# Allegro board LAY-95869_A.brd (continued)
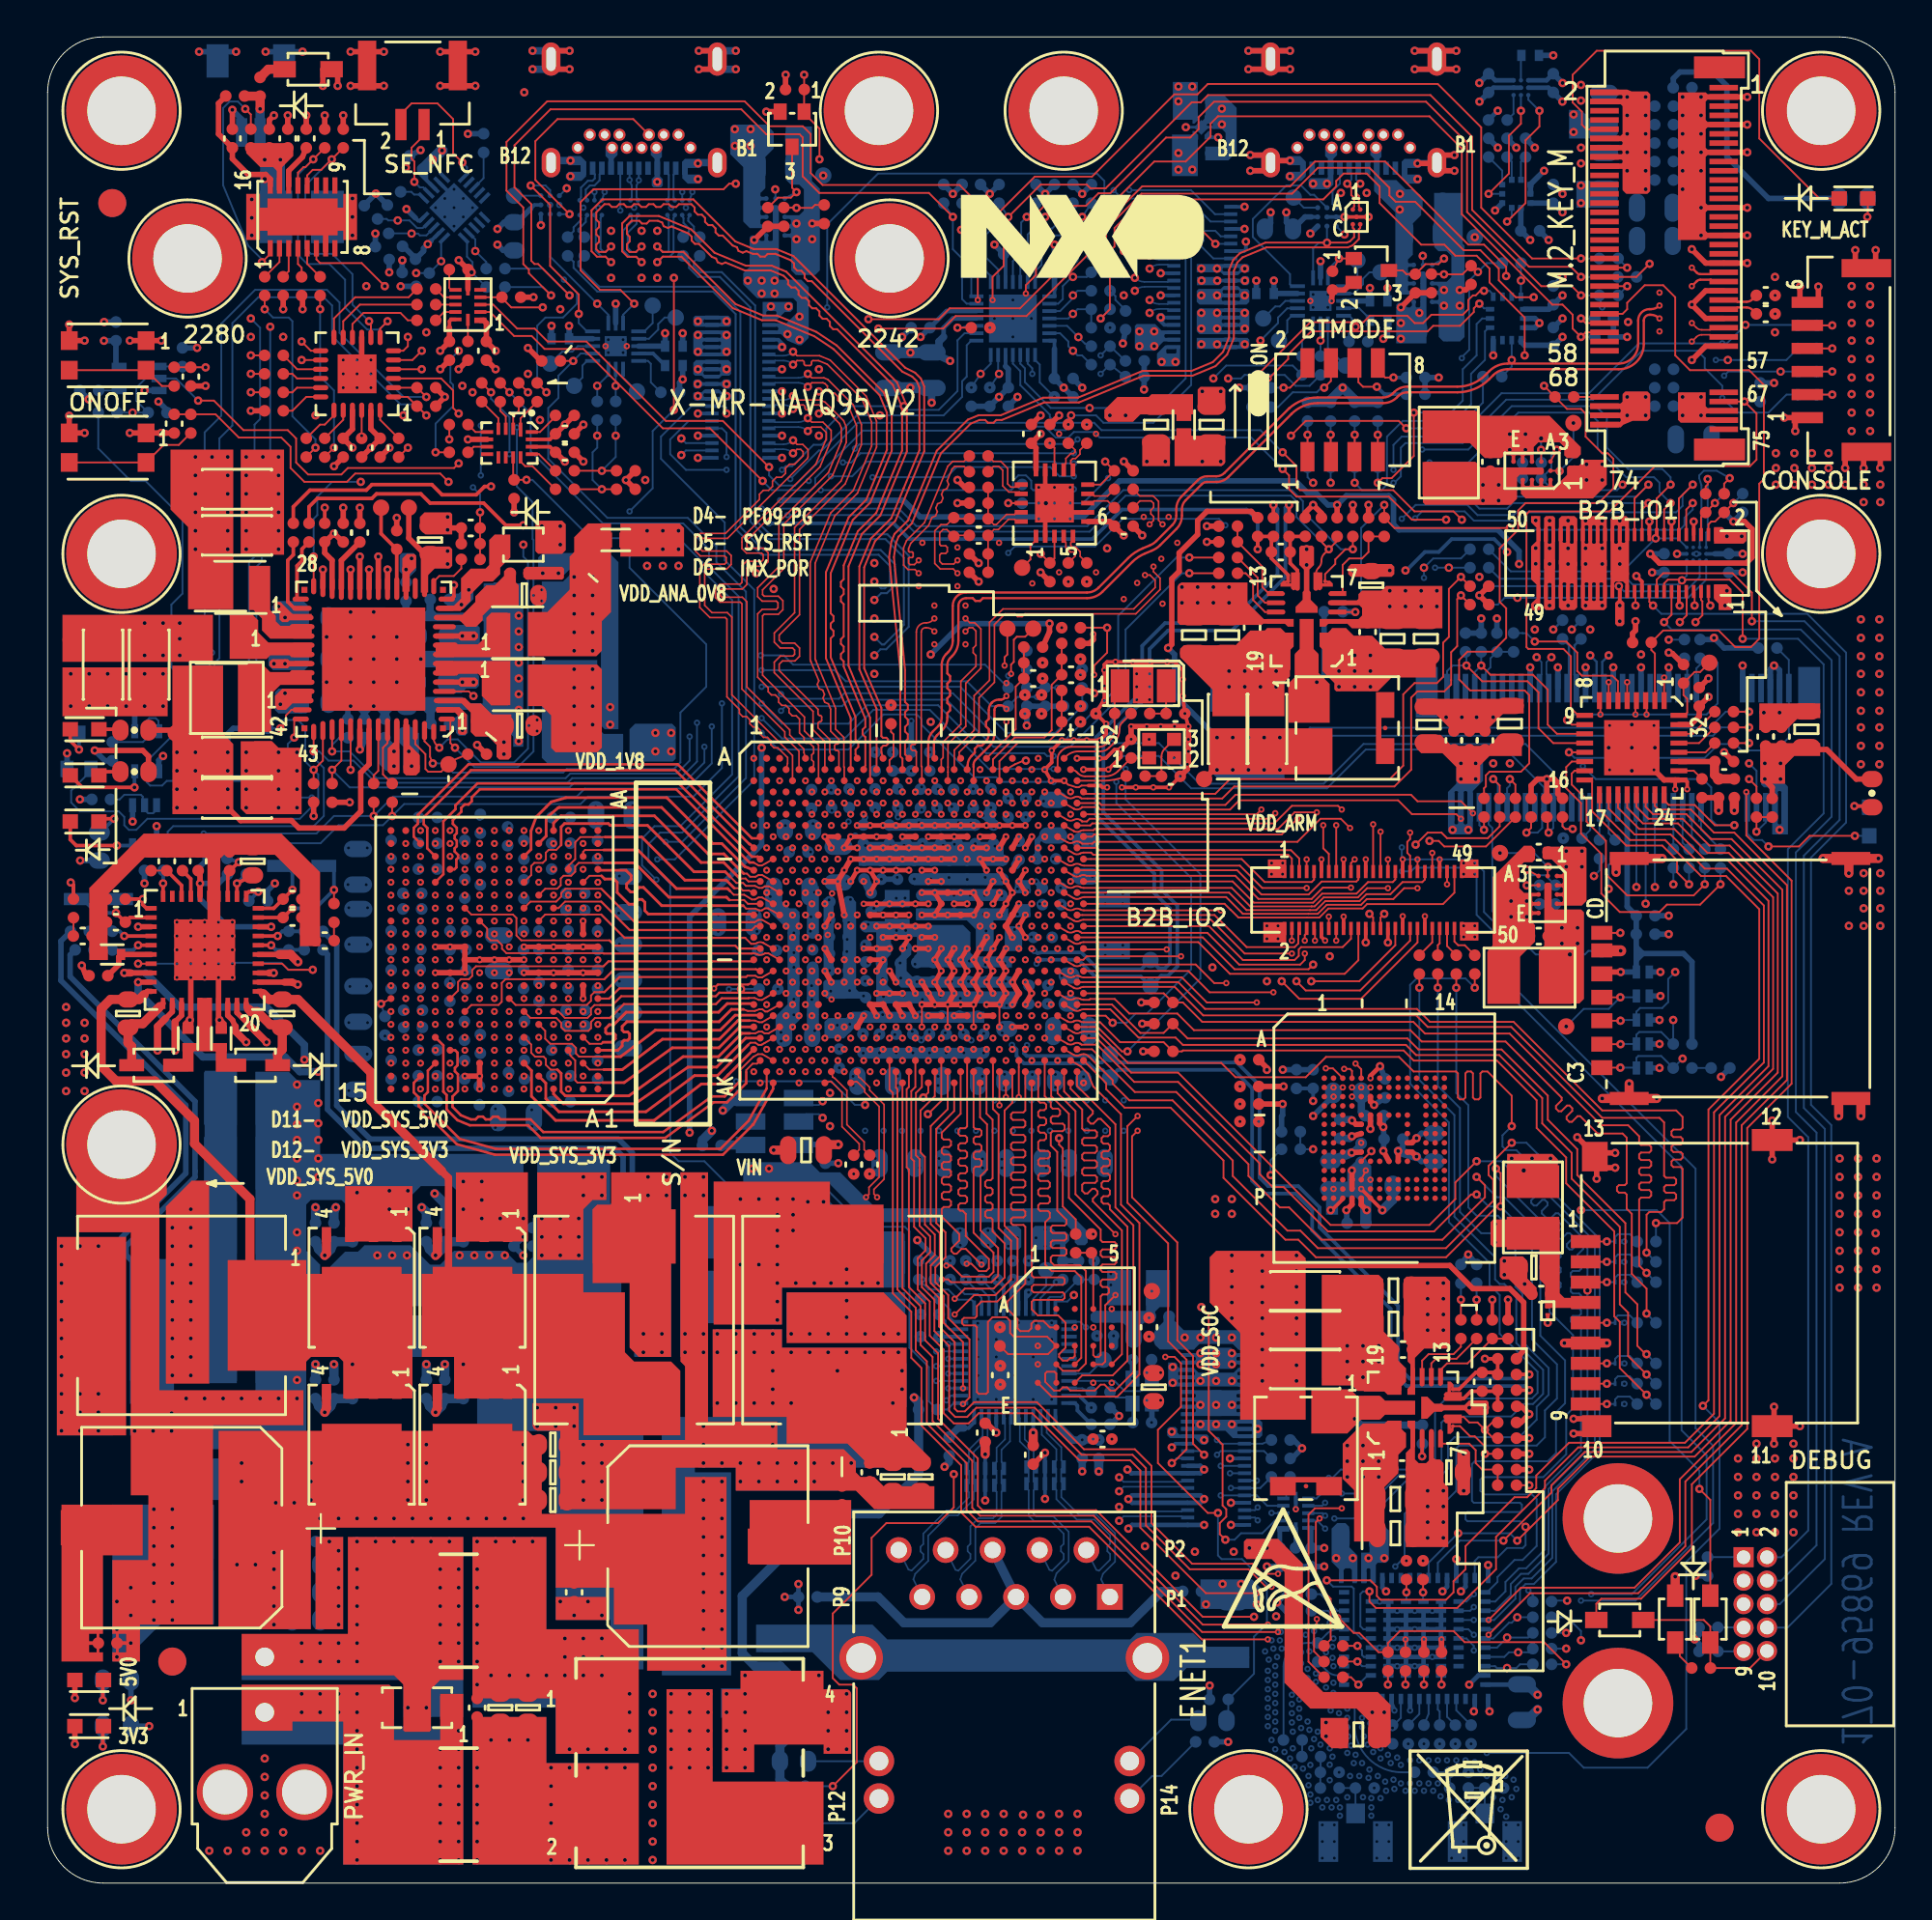
[diagram p0: board, top side]
## Footprints (pads in the part's own frame, mm; a bottom-side part is the same pattern mirrored in y, then rotated) (continued)
PQFN16_0P4_2P65X1P85
  rect 0.203x0.762 smd: 1(-0.6,-0.724)
  rect 0.203x0.66 smd: 2(-0.2,-0.775) 3(0.2,-0.775) 4(0.6,-0.775) 9(0.6,0.775) 10(0.2,0.775) 11(-0.2,0.775) 12(-0.6,0.775)
  rect 0.66x0.203 smd: 5(1.21,-0.6) 6(1.21,-0.2) 7(1.21,0.2) 8(1.21,0.6) 13(-1.21,0.6) 14(-1.21,0.2) 15(-1.21,-0.2) 16(-1.21,-0.6)
PQFN24_0P5_3P5X4P5MM
  custom 1.45x2.275 smd: 1(-1.425,1.512) 19(1.425,1.512)
  custom 1.45x0.422 smd: 4(-1.425,0.086) 16(1.425,0.086)
  custom 1x0.27 smd: 5(-1.65,-0.5) 6(-1.65,-1) 14(1.65,-1) 15(1.65,-0.5)
  custom 0.975x0.27 smd: 7(-1.663,-1.5) 13(1.663,-1.5)
  custom 0.838x0.975 smd: 8(-1,-2.163) 12(1,-2.163)
  custom 0.27x1 smd: 9(-0.5,-2.15) 11(0.5,-2.15)
  custom 1.2x2.2 smd: 10(0,-1.55)
  custom 1.25x2.775 smd: 21(0,1.262)
PQFN56_0P5_8X8MM
  rect 0.33x0.33 smd: (-3.75,3.75) (-3.75,-3.75) (3.75,3.75) (3.75,-3.75)
  oval 0.889x0.279 smd: 1(-3.95,3.25) 14(-3.95,-3.25) 29(3.95,-3.25) 42(3.95,3.25)
  oval 1.041x0.279 smd: 2(-3.875,2.75) 13(-3.875,-2.75) 30(3.875,-2.75) 41(3.875,2.75)
  oval 1.143x0.279 smd: 3(-3.825,2.25) 12(-3.825,-2.25) 31(3.825,-2.25) 40(3.825,2.25)
  oval 1.245x0.279 smd: 4(-3.825,1.75) 5(-3.825,1.25) 6(-3.825,0.75) 7(-3.825,0.25) 8(-3.825,-0.25) 9(-3.825,-0.75) 10(-3.825,-1.25) 11(-3.825,-1.75) 32(3.825,-1.75) 33(3.825,-1.25) 34(3.825,-0.75) 35(3.825,-0.25) 36(3.825,0.25) 37(3.825,0.75) 38(3.825,1.25) 39(3.825,1.75)
  oval 0.279x0.889 smd: 15(-3.25,-3.95) 28(3.25,-3.95) 43(3.25,3.95) 56(-3.25,3.95)
  oval 0.279x1.041 smd: 16(-2.75,-3.875) 27(2.75,-3.875) 44(2.75,3.875) 55(-2.75,3.875)
  oval 0.279x1.143 smd: 17(-2.25,-3.825) 26(2.25,-3.825) 45(2.25,3.825) 54(-2.25,3.825)
  oval 0.279x1.245 smd: 18(-1.75,-3.825) 19(-1.25,-3.825) 20(-0.75,-3.825) 21(-0.25,-3.825) 22(0.25,-3.825) 23(0.75,-3.825) 24(1.25,-3.825) 25(1.75,-3.825) 46(1.75,3.825) 47(1.25,3.825) 48(0.75,3.825) 49(0.25,3.825) 50(-0.25,3.825) 51(-0.75,3.825) 52(-1.25,3.825) 53(-1.75,3.825)
  rect 5.588x5.588 smd: 57(0,0)
QFN20_0P4_3X3_TAB_1P9
  rect 0.737x0.203 smd: 1(-1.538,0.8) 2(-1.538,0.4) 3(-1.538,0) 4(-1.538,-0.4) 5(-1.538,-0.8) 11(1.538,-0.8) 12(1.538,-0.4) 13(1.538,0) 14(1.538,0.4) 15(1.538,0.8)
  rect 0.203x0.737 smd: 6(-0.8,-1.538) 7(-0.4,-1.538) 8(0,-1.538) 9(0.4,-1.538) 10(0.8,-1.538) 16(0.8,1.538) 17(0.4,1.538) 18(0,1.538) 19(-0.4,1.538) 20(-0.8,1.538)
  rect 1.905x1.905 smd: 21(0,0)
QFN24_4X4_EP2P1MM
  oval 0.279x0.838 smd: 1(-1.25,-1.975) 2(-0.75,-1.975) 3(-0.25,-1.975) 4(0.25,-1.975) 5(0.75,-1.975) 6(1.25,-1.975) 13(1.25,1.975) 14(0.75,1.975) 15(0.25,1.975) 16(-0.25,1.975) 17(-0.75,1.975) 18(-1.25,1.975)
  oval 0.838x0.279 smd: 7(1.975,-1.25) 8(1.975,-0.75) 9(1.975,-0.25) 10(1.975,0.25) 11(1.975,0.75) 12(1.975,1.25) 19(-1.975,1.25) 20(-1.975,0.75) 21(-1.975,0.25) 22(-1.975,-0.25) 23(-1.975,-0.75) 24(-1.975,-1.25)
  rect 2.108x2.108 smd: 25(0,0)
QFN28_0P4_4X4_EP2P6
  rect 0.762x0.203 smd: 1(-1.975,1.2) 2(-1.975,0.8) 3(-1.975,0.4) 4(-1.975,0) 5(-1.975,-0.4) 6(-1.975,-0.8) 7(-1.975,-1.2) 15(1.975,-1.2) 16(1.975,-0.8) 17(1.975,-0.4) 18(1.975,0) 19(1.975,0.4) 20(1.975,0.8) 21(1.975,1.2)
  rect 0.203x0.762 smd: 8(-1.2,-1.975) 9(-0.8,-1.975) 10(-0.4,-1.975) 11(0,-1.975) 12(0.4,-1.975) 13(0.8,-1.975) 14(1.2,-1.975) 22(1.2,1.975) 23(0.8,1.975) 24(0.4,1.975) 25(0,1.975) 26(-0.4,1.975) 27(-0.8,1.975) 28(-1.2,1.975)
  rect 2.591x2.591 smd: 29(0,0)
QFN_48_0P4_6X6MM
  rect 0.838x0.203 smd: 1(-2.938,2.2) 2(-2.938,1.8) 3(-2.938,1.4) 4(-2.938,1) 5(-2.938,0.6) 6(-2.938,0.2) 7(-2.938,-0.2) 8(-2.938,-0.6) 9(-2.938,-1) 10(-2.938,-1.4) 11(-2.938,-1.8) 12(-2.938,-2.2) 25(2.938,-2.2) 26(2.938,-1.8) 27(2.938,-1.4) 28(2.938,-1) 29(2.938,-0.6) 30(2.938,-0.2) 31(2.938,0.2) 32(2.938,0.6) 33(2.938,1) 34(2.938,1.4) 35(2.938,1.8) 36(2.938,2.2)
  rect 0.203x0.838 smd: 13(-2.2,-2.938) 14(-1.8,-2.938) 15(-1.4,-2.938) 16(-1,-2.938) 17(-0.6,-2.938) 18(-0.2,-2.938) 19(0.2,-2.938) 20(0.6,-2.938) 21(1,-2.938) 22(1.4,-2.938) 23(1.8,-2.938) 24(2.2,-2.938) 37(2.2,2.938) 38(1.8,2.938) 39(1.4,2.938) 40(1,2.938) 41(0.6,2.938) 42(0.2,2.938) 43(-0.2,2.938) 44(-0.6,2.938) 45(-1,2.938) 46(-1.4,2.938) 47(-1.8,2.938) 48(-2.2,2.938)
  rect 4.597x4.597 smd: 49(0,0)
RC0402_25
  round 0.635 smd: 1(-0.508,0) 2(0.508,0)
RC0603_OV
  oval 0.889x1.143 smd: 1(-0.762,0) 2(0.762,0)
RC1206_OV
  oval 1.016x1.778 smd: 1(-1.524,0) 2(1.524,0)
RC6432
  rect 1.651x6.604 smd: 1(-1.276,0) 2(1.276,0)
SC70-5
  rect 0.406x0.813 smd: 1(-0.65,-1.079) 2(0,-1.079) 3(0.65,-1.079) 4(0.65,1.079) 5(-0.65,1.079)
SC70_3
  rect 0.711x0.889 smd: 1(-0.648,-0.952) 2(0.648,-0.952) 3(0,0.952)
SO16_0P5_3P5X4P5_MM
  rect 0.889x0.279 smd: 1(-1.7,1.75) 2(-1.7,1.25) 3(-1.7,0.75) 4(-1.7,0.25) 5(-1.7,-0.25) 6(-1.7,-0.75) 7(-1.7,-1.25) 8(-1.7,-1.75) 9(1.7,-1.75) 10(1.7,-1.25) 11(1.7,-0.75) 12(1.7,-0.25) 13(1.7,0.25) 14(1.7,0.75) 15(1.7,1.25) 16(1.7,1.75)
  rect 2x3.8 smd: 17(0,0)
SOD323
  rect 0.889x1.219 smd: A(0,1.27) C(0,-1.27)
SOD323_1A
  rect 0.813x0.813 smd: A(-1.125,0) C(1.125,0)
SOD323_2P4_1P8X1P4
  rect 1.346x0.66 smd: A(-1.2,0) C(1.2,0)
SOD882
  rect 0.406x0.711 smd: 1(-0.35,0) 2(0.35,0)
SOT-363_0P65_SMT
  rect 0.762x0.381 smd: 1(-1.085,0.65) 2(-1.085,0) 3(-1.085,-0.65) 4(1.085,-0.65) 5(1.085,0) 6(1.085,0.65)
SW4_SPST_4P6X2P8_SM
  rect 0.914x1.016 smd: 1(-2.08,-0.8) 2(2.08,-0.8) 3(-2.08,0.8) 4(2.08,0.8)
SW_CHS_04_A
  rect 1.6x0.762 smd: 1(-2.54,1.905) 2(2.54,1.905) 3(-2.54,0.635) 4(2.54,0.635) 5(-2.54,-0.635) 6(2.54,-0.635) 7(-2.54,-1.905) 8(2.54,-1.905)
TDSON_1P27_5P35X6P1
  rect 0.813x0.508 smd: 1(-2.88,1.905) 2(-2.88,0.635) 3(-2.88,-0.635) 4(-2.88,-1.905)
  rect 4.42x4.318 smd: 5(1.081,0)
TESTPOINT_35MIL
  round 0.889 smd: 1(0,0)
unnamed#2
  round 1.524 smd: (0,0)
UQFN32_0P5_5X5_EP3X3
  rect 0.914x0.279 smd: 1(-2.55,1.75) 2(-2.55,1.25) 3(-2.55,0.75) 4(-2.55,0.25) 5(-2.55,-0.25) 6(-2.55,-0.75) 7(-2.55,-1.25) 8(-2.55,-1.75) 17(2.55,-1.75) 18(2.55,-1.25) 19(2.55,-0.75) 20(2.55,-0.25) 21(2.55,0.25) 22(2.55,0.75) 23(2.55,1.25) 24(2.55,1.75)
  rect 0.279x0.914 smd: 9(-1.75,-2.55) 10(-1.25,-2.55) 11(-0.75,-2.55) 12(-0.25,-2.55) 13(0.25,-2.55) 14(0.75,-2.55) 15(1.25,-2.55) 16(1.75,-2.55) 25(1.75,2.55) 26(1.25,2.55) 27(0.75,2.55) 28(0.25,2.55) 29(-0.25,2.55) 30(-0.75,2.55) 31(-1.25,2.55) 32(-1.75,2.55)
  rect 2.997x2.997 smd: 33(0,0)
VFQFPN20P_0P5_SQ4P1
  rect 0.711x0.254 smd: 1(-1.8,1) 2(-1.8,0.5) 3(-1.8,0) 4(-1.8,-0.5) 5(-1.8,-1) 11(1.8,-1) 12(1.8,-0.5) 13(1.8,0) 14(1.8,0.5) 15(1.8,1)
  rect 0.254x0.711 smd: 6(-1,-1.8) 7(-0.5,-1.8) 8(0,-1.8) 9(0.5,-1.8) 10(1,-1.8) 16(1,1.8) 17(0.5,1.8) 18(0,1.8) 19(-0.5,1.8) 20(-1,1.8)
  rect 2.108x2.108 smd: 21(0,0)
VQFN40P_0P5_SQ6P1_EP3P3
  rect 0.61x0.254 smd: 1(-2.9,2.25) 2(-2.9,1.75) 3(-2.9,1.25) 4(-2.9,0.75) 5(-2.9,0.25) 6(-2.9,-0.25) 7(-2.9,-0.75) 8(-2.9,-1.25) 9(-2.9,-1.75) 10(-2.9,-2.25) 21(2.9,-2.25) 22(2.9,-1.75) 23(2.9,-1.25) 24(2.9,-0.75) 25(2.9,-0.25) 26(2.9,0.25) 27(2.9,0.75) 28(2.9,1.25) 29(2.9,1.75) 30(2.9,2.25)
  rect 0.254x0.61 smd: 11(-2.25,-2.9) 12(-1.75,-2.9) 13(-1.25,-2.9) 14(-0.75,-2.9) 15(-0.25,-2.9) 16(0.25,-2.9) 17(0.75,-2.9) 18(1.25,-2.9) 19(1.75,-2.9) 20(2.25,-2.9) 31(2.25,2.9) 32(1.75,2.9) 33(1.25,2.9) 34(0.75,2.9) 35(0.25,2.9) 36(-0.25,2.9) 37(-0.75,2.9) 38(-1.25,2.9) 39(-1.75,2.9) 40(-2.25,2.9)
  rect 3.302x3.302 smd: 41(0,0)
WLCSP5_0P4_0P82X1P22
  round 0.254 smd: A1(-0.2,0.4) A2(0.2,0.4) B1(0,0) C1(-0.2,-0.4) C2(0.2,-0.4)
WLCSP9_0P4_1P28SQ
  round 0.24 smd: A1(-0.4,0.4) A2(0,0.4) A3(0.4,0.4) B1(-0.4,0) B2(0,0) B3(0.4,0) C1(-0.4,-0.4) C2(0,-0.4) C3(0.4,-0.4)
WLCSP9_0P5_1P49X1P49MM
  round 0.279 smd: A1(-0.5,0.5) A2(0,0.5) A3(0.5,0.5) B1(-0.5,0) B2(0,0) B3(0.5,0) C1(-0.5,-0.5) C2(0,-0.5) C3(0.5,-0.5)
WLCSP10_0P4_1P2X1P6MM_SMDP
  round 0.254 smd: A1(0.4,0.6) A2(0.4,0.2) A3(0.4,-0.2) A4(0.4,-0.6) B1(0,0.4) B2(0,-0.4) C1(-0.4,0.6) C2(-0.4,0.2) C3(-0.4,-0.2) C4(-0.4,-0.6)
WLCSP12_0P35_1P05X1P40
  round 0.2 smd: A1(-0.35,0.525) A2(0,0.525) A3(0.35,0.525) B1(-0.35,0.175) B2(0,0.175) B3(0.35,0.175) C1(-0.35,-0.175) C2(0,-0.175) C3(0.35,-0.175) D1(-0.35,-0.525) D2(0,-0.525) D3(0.35,-0.525)
WLCSP15_0P5_1P57X2P59
  round 0.254 smd: A1(0.5,1) A2(0,1) A3(-0.5,1) B1(0.5,0.5) B2(0,0.5) B3(-0.5,0.5) C1(0.5,0) C2(0,0) C3(-0.5,0) D1(0.5,-0.5) D2(0,-0.5) D3(-0.5,-0.5) E1(0.5,-1) E2(0,-1) E3(-0.5,-1)
XQFN12_0P4_1P8X2P1
  rect 0.66x0.305 smd: 1(-0.675,0.85)
  rect 0.66x0.203 smd: 2(-0.675,0.4) 3(-0.675,0) 4(-0.675,-0.4) 5(-0.675,-0.8) 7(0.675,-0.8) 8(0.675,-0.4) 9(0.675,0) 10(0.675,0.4) 11(0.675,0.8)
  rect 0.203x0.66 smd: 6(0,-0.825) 12(0,0.825)
XSON4_0P65_SQ1P05MM_A
  custom 0.46x0.31 smd: 1(-0.429,0.325) 2(-0.429,-0.325) 3(0.429,-0.325) 4(0.429,0.325)
  rect 0.58x0.58 smd rot 135: 5(0,0)
XSON10_0P5_1P1X2P6MM
  rect 0.711x0.254 smd: 1(-0.457,1) 2(-0.457,0.5) 3(-0.457,0) 4(-0.457,-0.5) 5(-0.457,-1) 6(0.457,-1) 7(0.457,-0.5) 8(0.457,0) 9(0.457,0.5) 10(0.457,1)
XTAL4_2P1X1P7MM_SM
  rect 0.864x0.762 smd: 1(-0.675,-0.525) 2(0.675,-0.525) 3(0.675,0.525) 4(-0.675,0.525)
XTL2_3P2X1P5
  rect 1.016x1.803 smd: 1(-1.25,0) 2(1.25,0)
XTL4_2P1X1P7MM_SM
  rect 0.762x0.711 smd: 1(-0.675,-0.5) 2(0.675,-0.5) 3(0.675,0.5) 4(-0.675,0.5)

## Nets
AVDD10_RTL: C409.1 C416.1 C417.1 R324.2 U35.4 U35.9 U35.47
AVDD33_RTL: C415.1 C418.1 R338.2 U35.1 U35.12
DVDD10_RTL: C402.1 R325.2 U35.22
DVDD33_RTL: C387.1 C391.1 C392.1 R309.2 R315.1 R318.1 R319.1 R336.1 R359.1 R367.1 U35.30 U35.31
GND: BH1.1 BH2.1 BH3.1 BH4.1 BH5.1 BH6.1 BH7.1 BH8.1 BH9.1 BH10.1 BH11.1 BH12.1 BH13.1 BH14.1 C1.2 C2.2 C3.2 C6.2 C7.2 C8.2 C9.2 C10.2 C11.2 C12.2 C13.2 C14.2 C15.2 C16.2 C17.2 C18.2 C19.2 C20.2 C22.2 C23.2 C24.2 C25.2 C26.2 C28.2 C30.2 C31.2 C32.2 C33.2 C34.2 C35.2 C36.2 C37.2 C38.2 C39.2 C40.2 C41.2 C42.2 C43.2 C44.2 C45.2 C46.2 C47.2 C48.2 C49.2 C50.2 C51.2 C52.2 C53.2 C54.2 C55.2 C56.2 C57.2 C58.2 C59.2 C60.2 C61.2 C62.2 C63.2 C64.2 C65.2 C66.2 C67.2 C68.2 C69.2 C70.2 C71.2 C72.2 C73.2 C74.2 C77.2 C78.2 C81.2 C82.2 C83.2 C84.2 C85.2 C86.2 C87.2 C88.2 C89.2 C90.2 C91.2 C93.2 C94.2 C95.2 C96.2 C97.2 C98.2 C99.2 C100.2 C101.2 C102.2 C103.2 C105.2 C107.2 C108.2 C109.2 C110.2 C111.2 C112.2 C117.2 C118.2 C119.2 C120.2 C121.2 C122.2 C123.2 C124.2 C125.2 C126.2 C127.2 C128.2 C129.2 C130.2 C131.2 C132.2 C133.2 C134.2 C135.2 C136.2 C137.2 C138.2 C139.2 C140.2 C141.2 C142.2 C147.2 C148.2 C149.2 C150.2 C151.2 C152.2 C153.2 C154.2 C155.2 C156.2 C157.2 C158.2 C159.2 C160.2 C161.2 C162.2 C163.2 C164.2 C165.2 C166.2 C167.2 C168.2 C169.2 C170.2 C171.2 C172.2 C173.2 C175.2 C178.2 C179.2 C180.2 C181.2 C182.2 C183.2 C184.2 C185.2 C186.2 C187.2 C188.2 C189.2 C190.2 C191.2 C192.2 C193.2 C194.2 C195.2 C196.2 C197.2 C198.2 C199.2 C200.2 C201.2 C202.2 C203.2 C204.2 C205.2 C206.2 C207.2 C208.2 C209.2 C210.2 C211.2 C212.2 C213.2 C214.2 C215.2 C216.2 C217.2 C218.2 C219.2 C220.2 C221.2 C222.2 C223.2 C224.2 C225.2 C226.2 C227.2 C228.2 C229.2 C230.2 C231.2 C232.2 C233.2 C234.2 C235.2 C236.2 C237.2 C238.2 C239.2 C240.2 C241.2 C242.2 C243.2 C244.2 C245.2 C246.2 C247.2 C248.2 C249.2 C250.2 C251.2 C252.2 C253.2 C254.2 C255.2 C256.2 C257.2 C258.2 C259.2 C260.2 C261.2 C262.2 C263.2 C264.2 C265.2 C266.2 C267.2 C268.2 C269.2 C270.2 C271.2 C272.2 C273.2 C274.2 C275.2 C276.2 C277.2 C278.2 C281.2 C282.2 C283.2 C284.2 C285.2 C286.2 C287.2 C288.2 C289.2 C290.2 C291.2 C292.2 C293.2 C294.2 C295.2 C296.2 C297.2 C298.2 C299.2 C300.2 C301.2 C302.2 C303.2 C304.2 C305.2 C306.2 C307.2 C308.2 C309.2 C310.2 C311.2 C312.2 C313.2 C314.2 C315.2 C316.2 C317.2 C318.2 C319.2 C320.2 C321.2 C322.2 C323.2 C324.2 C325.2 C326.2 C327.2 C328.2 C329.2 C330.2 C331.2 C332.2 C333.2 C334.2 C335.2 C336.2 C337.2 C338.2 C339.2 C340.2 C342.2 C343.2 C344.2 C345.2 C346.2 C347.2 C348.2 C349.2 C350.2 C351.2 C352.2 C353.2 C354.2 C355.2 C356.2 C357.2 C358.2 C359.2 C360.2 C361.2 C362.2 C363.2 C364.2 C365.2 C366.2 C367.2 C368.2 C369.2 C370.2 C371.2 C372.2 C373.2 C374.2 C375.2 C376.2 C377.2 C378.2 C379.2 C380.2 C381.2 C382.2 C383.2 C384.2 C385.2 C386.2 C387.2 C388.2 C389.2 C390.2 C391.2 C392.2 C393.2 C394.2 C395.2 C396.2 C397.2 C398.2 C399.2 C400.2 C401.2 C402.2 C403.2 C404.2 C405.2 C406.2 C407.2 C408.2 C409.2 C411.2 C412.2 C413.2 C414.2 C415.2 C416.2 C417.2 C418.2 C419.2 C420.2 C421.2 C422.2 C423.2 C424.2 C425.2 C426.2 C428.2 C429.2 C431.2 C432.2 D9.2(C2) D11.C(CATHODE) D12.C(CATHODE) D18.1 D19.1 D20.1 D21.1 D22.1 D23.2(C2) D24.2(C2) D25.2(C2) D26.2(C2) D27.2(C2) D28.2(C2) D29.2(C2) D30.3 D30.8 D31.3 D31.8 J1.3 J1.9 J1.15 J1.27 J1.33 J1.39 J1.45 J1.51 J1.57 J1.71 J1.73 J2.6 J2.SH1 J2.SH2 J3.1 J3.2 J3.8 J3.11 J3.14 J3.20 J3.21 J3.25 J3.26 J3.28 J3.29 J3.30 J3.39 J3.40 J3.41 J3.42 J3.43 J3.44 J3.49 J3.50 J4.1 J4.2 J4.11 J4.12 J4.17 J4.18 J4.23 J4.24 J4.30 J4.33 J4.34 J4.40 J4.43 J4.49 J4.50 J5.C5 J5.G1 J5.G2 J5.G3 J5.G4 J6.6(VSS) J6.10 J6.11 J6.12 J6.13 J7.3 J7.5 J9.S1 J9.S2 J10.S1 J10.S2 J11.1 J11.S1 J11.S2 J12.A1 J12.A12 J12.B1 J12.B12 J12.SH1 J12.SH2 J12.SH3 J12.SH4 J13.A1 J13.A12 J13.B1 J13.B12 J13.SH1 J13.SH2 J13.SH3 J13.SH4 J14.1 J14.2 J14.7 J14.8 J14.13 J14.14 J14.18 J14.19 J14.20 J14.24 J14.25 J14.26 J14.28 J14.31 J14.33 J14.38 J14.39 J14.40 J15.1 J15.2 J15.7 J15.8 J15.13 J15.14 J15.18 J15.19 J15.20 J15.24 J15.25 J15.26 J15.28 J15.31 J15.33 J15.38 J15.39 J15.40 J16.3 J16.5 J16.11 J16.27 J16.33 J16.39 J16.45 J16.51 J16.57 J16.71 J16.73 J17.1 J17.2 J17.7 J17.8 J17.10 J17.16 J17.18 J17.19 J17.24 J17.25 J17.27 J17.28 J17.29 J17.30 J17.39 J17.40 J17.41 J17.42 J17.43 J17.44 J17.49 J17.50 J18.2 J18.3(GND2) J19.2 J19.3(GND2) Q1.2(SOURCE) Q2.2(SOURCE) Q3.1 Q3.2 Q3.3(SOURCE3) Q4.1 Q4.2 Q4.3(SOURCE3) Q7.2(SOURCE) Q8.1 Q8.4(S2) Q9.1 Q9.4(S2) R2.2 R8.2 R11.2 R12.2 R13.2 R17.2 R18.2 R24.1 R25.2 R36.2 R56.2 R58.2 R59.2 R64.2 R67.2 R72.1 R74.2 R75.2 R84.2 R88.2 R89.2 R92.2 R93.2 R94.2 R97.2 R124.2 R125.2 R126.2 R146.2 R150.2 R151.2 R154.2 R155.2 R160.1 R161.1 R163.2 R171.2 R173.2 R175.2 R200.2 R216.2 R223.2 R224.2 R225.2 R226.2 R231.2 R246.2 R252.2 R255.2 R257.2 R261.1 R262.2 R263.2 R276.2 R285.2 R286.2 R291.2 R294.2 R295.2 R301.2 R305.2 R312.2 R313.2 R314.2 R316.2 R317.2 R322.2 R323.2 R337.2 R344.2 R348.2 R351.1 R361.2 R362.2 R364.2 R365.2 R368.2 SW1.1 SW1.2 SW3.1 SW3.2 T1.4 U1.7(VSS) U1.17 U2.B1(GND) U3.6 U4.9(VSS) U4.25 U5.6 U6.C3 U6.D3 U6.E3 U7.2 U7.7 U7.14 U7.21 U8.1 U8.10 U8.19 U9.24 U9.27 U9.57 U10.25(VSS) U10.33 U11.C3 U11.D3 U11.E3 U12.A1 U12.A51 U12.AA3 U12.AA9 U12.AA15 U12.AA19 U12.AA23 U12.AA27 U12.AA31 U12.AA35 U12.AA39 U12.AA43 U12.AA47 U12.AB6 U12.AB20 U12.AB22 U12.AB24 U12.AB28 U12.AB32 U12.AB36 U12.AB40 U12.AB44 U12.AB46 U12.AB50 U12.AC3 U12.AC9 U12.AC27 U12.AC29 U12.AC31 U12.AC33 U12.AC35 U12.AC37 U12.AC39 U12.AC43 U12.AC47 U12.AD6 U12.AD14 U12.AD16 U12.AD50 U12.AE3 U12.AE9 U12.AE15 U12.AE19 U12.AE21 U12.AE23 U12.AE25 U12.AE27 U12.AE29 U12.AE31 U12.AE33 U12.AE35 U12.AE37 U12.AE39 U12.AE41 U12.AE43 U12.AE47 U12.AF6 U12.AF12 U12.AF16 U12.AF18 U12.AF22 U12.AF26 U12.AF30 U12.AF34 U12.AF38 U12.AF42 U12.AF46 U12.AF50 U12.AG3 U12.AG5 U12.AG9 U12.AG13 U12.AG19 U12.AH6 U12.AH12 U12.AH14 U12.AH16 U12.AH18 U12.AH24 U12.AH28 U12.AH32 U12.AH36 U12.AH40 U12.AH44 U12.AH48 U12.AJ1 U12.AJ5 U12.AJ9 U12.AJ11 U12.AJ15 U12.AJ19 U12.AK2 U12.AK8 U12.AK52 U12.B36 U12.B46 U12.B52 U12.C5 U12.C9 U12.C13 U12.C17 U12.C21 U12.C25 U12.C29 U12.C33 U12.C37 U12.C41 U12.C45 U12.C47 U12.C49 U12.D10 U12.D12 U12.D16 U12.D20 U12.D24 U12.D28 U12.D32 U12.D34 U12.D36 U12.D40 U12.D46 U12.D50 U12.E5 U12.E35 U12.E41 U12.E47 U12.F10 U12.F14 U12.F18 U12.F22 U12.F26 U12.F30 U12.F34 U12.F38 U12.F42 U12.F44 U12.F50 U12.G1 U12.G3 U12.G5 U12.G13 U12.G15 U12.G17 U12.G19 U12.G21 U12.G23 U12.G25 U12.G27 U12.G29 U12.G31 U12.G33 U12.G35 U12.G37 U12.G39 U12.G41 U12.G43 U12.G47 U12.H4 U12.H6 U12.H8 U12.H10 U12.H44 U12.H50 U12.J3 U12.J5 U12.J9 U12.J11 U12.J43 U12.J47 U12.K6 U12.K16(VSS_99) U12.K18 U12.K20 U12.K22 U12.K24 U12.K26 U12.K28 U12.K30 U12.K32 U12.K36 U12.K38 U12.K40 U12.K50 U12.L3 U12.L5 U12.L9 U12.L15 U12.L37 U12.L43 U12.L47 U12.M6 U12.M12 U12.M14 U12.M18 U12.M28 U12.M30 U12.M42 U12.M50 U12.N3 U12.N9 U12.N39 U12.N43 U12.N47 U12.P6 U12.P20 U12.P22 U12.P24 U12.P26 U12.P28 U12.P32 U12.P34 U12.P38 U12.P50 U12.R3 U12.R9 U12.R15 U12.R43 U12.R47 U12.T6 U12.T14 U12.T20 U12.T22 U12.T24 U12.T26 U12.T28 U12.T36 U12.T38 U12.T42 U12.T50 U12.U3 U12.U9 U12.U37 U12.U43 U12.U47 U12.V6 U12.V20 U12.V22 U12.V26 U12.V28 U12.V32 U12.V36 U12.V40 U12.V50 U12.W3 U12.W9 U12.W15 U12.W31 U12.W35 U12.W39 U12.W43 U12.W47 U12.Y6 U12.Y14 U12.Y22 U12.Y32 U12.Y36 U12.Y40 U12.Y50 U13.3 U13.14 U13.17 U13.34 U13.35 U13.41 U14.A5 U14.A11 U14.AA5 U14.AA11 U14.B4 U14.B8 U14.B12 U14.C5 U14.C8 U14.C11 U14.D2 U14.D6 U14.D7 U14.D9 U14.D10 U14.D14 U14.E1 U14.E3 U14.E8 U14.E13 U14.E15 U14.F2 U14.F8 U14.F14 U14.G3 U14.G5 U14.G7 U14.G9 U14.G11 U14.G13 U14.H3 U14.H4 U14.H6 U14.H8 U14.H10 U14.H12 U14.J1 U14.J3 U14.J7 U14.J8 U14.J10 U14.J12 U14.J13 U14.J15 U14.K7 U14.K8 U14.K9 U14.L1 U14.L2 U14.L3 U14.L4 U14.L5 U14.L11 U14.L12 U14.L13 U14.L14 U14.L15 U14.M7 U14.M8 U14.M9 U14.N1 U14.N3 U14.N4 U14.N6 U14.N8 U14.N9 U14.N10 U14.N12 U14.N13 U14.N15 U14.P4 U14.P6 U14.P8 U14.P10 U14.P12 U14.P13 U14.R3 U14.R5 U14.R7 U14.R9 U14.R11 U14.R13 U14.T2 U14.T8 U14.T14 U14.U1 U14.U3 U14.U8 U14.U13 U14.U15 U14.V2 U14.V6 U14.V7 U14.V9 U14.V10 U14.V14 U14.W5 U14.W8 U14.W11 U14.Y4 U14.Y8 U14.Y12(VSS_99) U15.A6 U15.C4 U15.E7 U15.G5 U15.H10 U15.J5 U15.K8 U15.N2 U15.N5 U15.P4 U15.P6 U16.B3 U16.C1 U16.E5(VSSQ2) U17.1 U17.10 U17.19 U18.B1 U18.B2 U18.C3 U19.2 U19.5(T-PAD) U20.3 U20.8 U20.9(VSS_3) U21.B2 U21.B3 U22.B1 U22.B2(GND_CH2) U23.B1(GND) U24.B1 U24.B2(GND_CH2) U25.19(VSS) U25.21 U26.B2 U26.B3 U27.C3 U27.D3 U27.E3 U28.C3 U28.D3 U28.E3 U29.17 U30.6 U30.7 U30.11 U31.29 U32.17 U33.3 U34.D2 U35.49 U36.1 U36.2 U36.9 U36.11 U36.14 U36.16 U36.17 U36.19 U36.20 U36.21 U36.22 U36.28 U36.29 U36.32 U36.39 U36.41 U36.43 U36.53 U36.62 U36.67 U36.68 U36.71 U36.81 U36.82 U36.83 U36.84 U36.85 U36.86 U36.87 U36.88 U36.89 U36.90 U36.91 U36.92 U36.93 U36.94 U36.95 U36.96 U36.97 U36.98 U36.99 U36.100 U36.101 U36.102 U36.103 U36.104 U36.105 U36.106 U36.107 U37.6 Y2.2 Y2.4 Y3.3 Y4.2 Y4.4
VBUS_USB1: C126.1 C130.1 J13.A4 J13.A9 J13.B4(VBUS4) J13.B9 U21.A1 U27.A1 U27.B1 U27.C1 U27.D1 U32.15
VBUS_USB2: C134.1 C139.1 J12.A4 J12.A9 J12.B4(VBUS4) J12.B9 U26.A1 U28.A1 U28.B1 U28.C1 U28.D1 U29.15
VCC_LM5143: C77.1 C78.1 D7.A D8.A U13.15 U13.16
VCC_SE051: C129.1 R172.1 R185.1 R186.1 R187.1 U25.15 U25.18
VDD2_CPU_DDR: C38.1 C39.1 C199.1 C205.1 C215.1 C218.1 C219.1 C239.1 C241.1 C242.1 C271.1 C272.1 C273.1 C274.1 C275.1 C276.1 C277.1 C278.1 C282.1 C283.1 C285.1 C296.1 C297.1 C298.1 C299.1 C300.1 C301.1 C306.1 C307.1 C310.1 C326.1 C327.1 C338.1 C342.1 C343.1 C352.1 C355.1 C362.1 L4.2 TP10.1(TP) U9.22 U12.V12 U12.W13 U14.A6 U14.A7 U14.A8 U14.A9 U14.A10 U14.AA6 U14.AA7 U14.AA8 U14.AA9 U14.AA10 U14.B6 U14.B7 U14.B9 U14.B10 U14.C7 U14.C9 U14.D8 U14.E7 U14.E9 U14.F6 U14.F7 U14.F9 U14.F10 U14.H2 U14.H14 U14.J2 U14.J5 U14.J11 U14.J14 U14.K1 U14.K2 U14.K3 U14.K4 U14.K5 U14.K6 U14.K10 U14.K11 U14.K12 U14.K13 U14.K14 U14.K15 U14.L6 U14.L7 U14.L8 U14.L9 U14.L10 U14.M1 U14.M2 U14.M3 U14.M4 U14.M5 U14.M6 U14.M10 U14.M11 U14.M12 U14.M13 U14.M14 U14.M15 U14.N2 U14.N5 U14.N11 U14.N14 U14.P2 U14.P14 U14.T6 U14.T7 U14.T9 U14.T10 U14.U7 U14.U9 U14.V8 U14.W7 U14.W9 U14.Y6 U14.Y7 U14.Y9 U14.Y10
VDD_1V8: C7.1 C87.1 C91.1 C93.1 C94.1 C142.1 C147.1 C154.1 C164.1 C166.1 C170.1 C182.1 C185.1 C220.1 C221.1 C224.1 C332.1 C334.1 C335.1 C344.1 C345.1 C353.1 C368.1 C374.1 C377.1 C384.1 C421.1 C429.1 C431.1 D13.A J3.27 J14.22 J15.22 J17.26 L5.2 L8.2 R21.1 R52.1 R78.1 R104.1 R136.1 R137.1 R138.1 R139.1 R140.1 R142.1 R157.1 R167.1 R168.1 R176.1 R177.1 R178.1 R179.1 R180.1 R181.1 R219.1 R220.1 R221.1 R241.1 R254.1 R292.1 R296.1 R297.1 R340.1 R342.1 R371.1 R378.1 R379.1 TP13.1(TP) U3.1 U9.21 U12.AC23 U12.AC25 U12.AD24 U12.AD26 U12.AD32 U12.AD34 U14.C1 U14.C15 U14.W1 U14.W15 U15.C6 U15.M4 U15.N4 U15.P3 U15.P5 U16.B4 U16.D1 U16.E4 U31.1 U31.7 U31.12 U31.19 U31.24 U34.B2 U34.C2 U36.30 U36.31 U36.40 U36.54 U37.11
VDD_3V3: C6.1 C11.1 C12.1 C14.1 C15.1 C16.1 C42.1 C58.1 C61.1 C112.1 C124.1 C151.1 C152.1 C156.1 C159.1 C162.1 C163.1 C169.1 C187.1 C188.1 C189.1 C192.1 C256.1 C265.1 C361.1 C363.1 C364.1 C365.1 C366.1 C367.1 C375.1 C432.1 D1.A D3.A L1.2 L6.2 L16.1 R5.1 R6.1 R7.1 R29.1 R35.1 R37.1 R40.1 R45.1 R50.1 R53.1 R66.1 R79.1 R90.1 R102.1 R103.1 R105.1 R107.1 R111.1 R112.1 R121.1 R122.1 R123.1 R133.1 R135.1 R153.1 R182.1 R183.1 R193.1 R204.1 R210.1 R213.1 R214.1 R217.1 R222.1 R229.1 R238.1 R239.1 R242.1 R243.1 R244.1 R247.1 R253.1 R256.1 R258.1 R300.1 R309.1 R338.1 R357.1 TP14.1(TP) U3.11 U4.21 U4.23 U5.14 U5.15 U9.2 U9.48 U9.49 U9.52 U10.31 U12.H24 U12.H26 U12.P42 U12.R41 U12.T40 U12.U41 U15.E6 U15.F5 U15.J10 U15.K9 U19.3 U19.4 U29.3(VDD) U30.5(VDDIO) U31.18 U32.3(VDD) U33.5 U34.A2(VCCB) U36.12 U36.13 U37.1 Y3.6(VDD)
VDD_3V3_M2_KEYB: C46.1 C47.1 C51.1 C52.1 C53.1 C54.1 C55.1 C56.1 C62.1 J16.2 J16.4 J16.70 J16.72 J16.74 R106.1 R116.1 R117.1 R118.1 R120.1 U11.A1 U11.B1 U11.C1 U11.D1
VDD_3V3_M2_KEYM: C19.1 C120.1 C121.1 C122.1 C125.1 C127.1 C128.1 C131.1 C132.1 C135.1 C141.1 C161.1 C165.1 C167.1 C168.1 J1.2 J1.4 J1.12 J1.14 J1.16 J1.18 J1.70 J1.72 J1.74 R87.1 R184.1 R198.1 R201.1 U6.A1 U6.B1 U6.C1 U6.D1
VDD_ANA_0V8: C172.1 C179.1 C249.1 C263.1 C269.1 C284.1 C288.1 C314.1 C318.1 C373.1 L3.2 L9.2 TP6.1(TP) U9.20 U12.AA17 U12.R17 U12.T16 U12.T18 U12.W17 U12.Y16 U12.Y18
VDD_ANA_0V8_F: C193.1 C194.1 C195.1 C207.1 C214.1 C330.1 C333.1 C350.1 C351.1 L9.1 U12.AD18 U12.AD28 U12.AD30 U12.AE17 U12.H16 U12.H18 U12.H20 U12.H22 U12.H36 U12.H38 U12.J15 U12.J17 U12.J35 U12.J37
VDD_ANA_1V8_F: C196.1 C197.1 C198.1 C204.1 C206.1 C223.1 C226.1 C304.1 C305.1 C309.1 C328.1 C336.1 C337.1 L8.1 U12.AA41 U12.AB42 U12.AC19 U12.AC21 U12.AC41 U12.AD20 U12.AD22 U12.H12 U12.H14 U12.H28 U12.H30 U12.H32 U12.H34 U12.J13 U12.K12 U12.K14 U12.K42 U12.L13 U12.L41 U12.Y42
VDD_ARM: C49.1 C50.1 C190.1 C191.1 C225.1 C230.1 C231.1 C232.1 C233.1 C234.1 C235.1 C250.1 C251.1 C252.1 C253.1 C254.1 C255.1 C258.1 C270.1 L7.2 R61.2 TP17.1(TP) U12.L27 U12.L29 U12.M38 U12.N27 U12.N29 U12.N31 U12.N33 U12.N35 U12.N37 U12.P30 U12.P36 U12.R27 U12.R29 U12.R31 U12.R33 U12.R35 U12.R37 U12.U27 U12.U29
VDD_ARM_SENSE: R62.2 TP39.1(TP) U12.V42
VDD_BAT: C113.1 C113.3(IN/OUT_2) J9.1 L15.1
VDD_BATF: C114.1 C115.1 C116.1 L15.2 T1.2
VDD_BATFC: C99.1 C100.1 C101.1 C406.1 C407.1 C408.1 L12.1 T1.3
VDD_BBSM_0V8: C200.1 U12.H42 U12.J41